# KiCad board MegaDrive.kicad_pcb (continued)
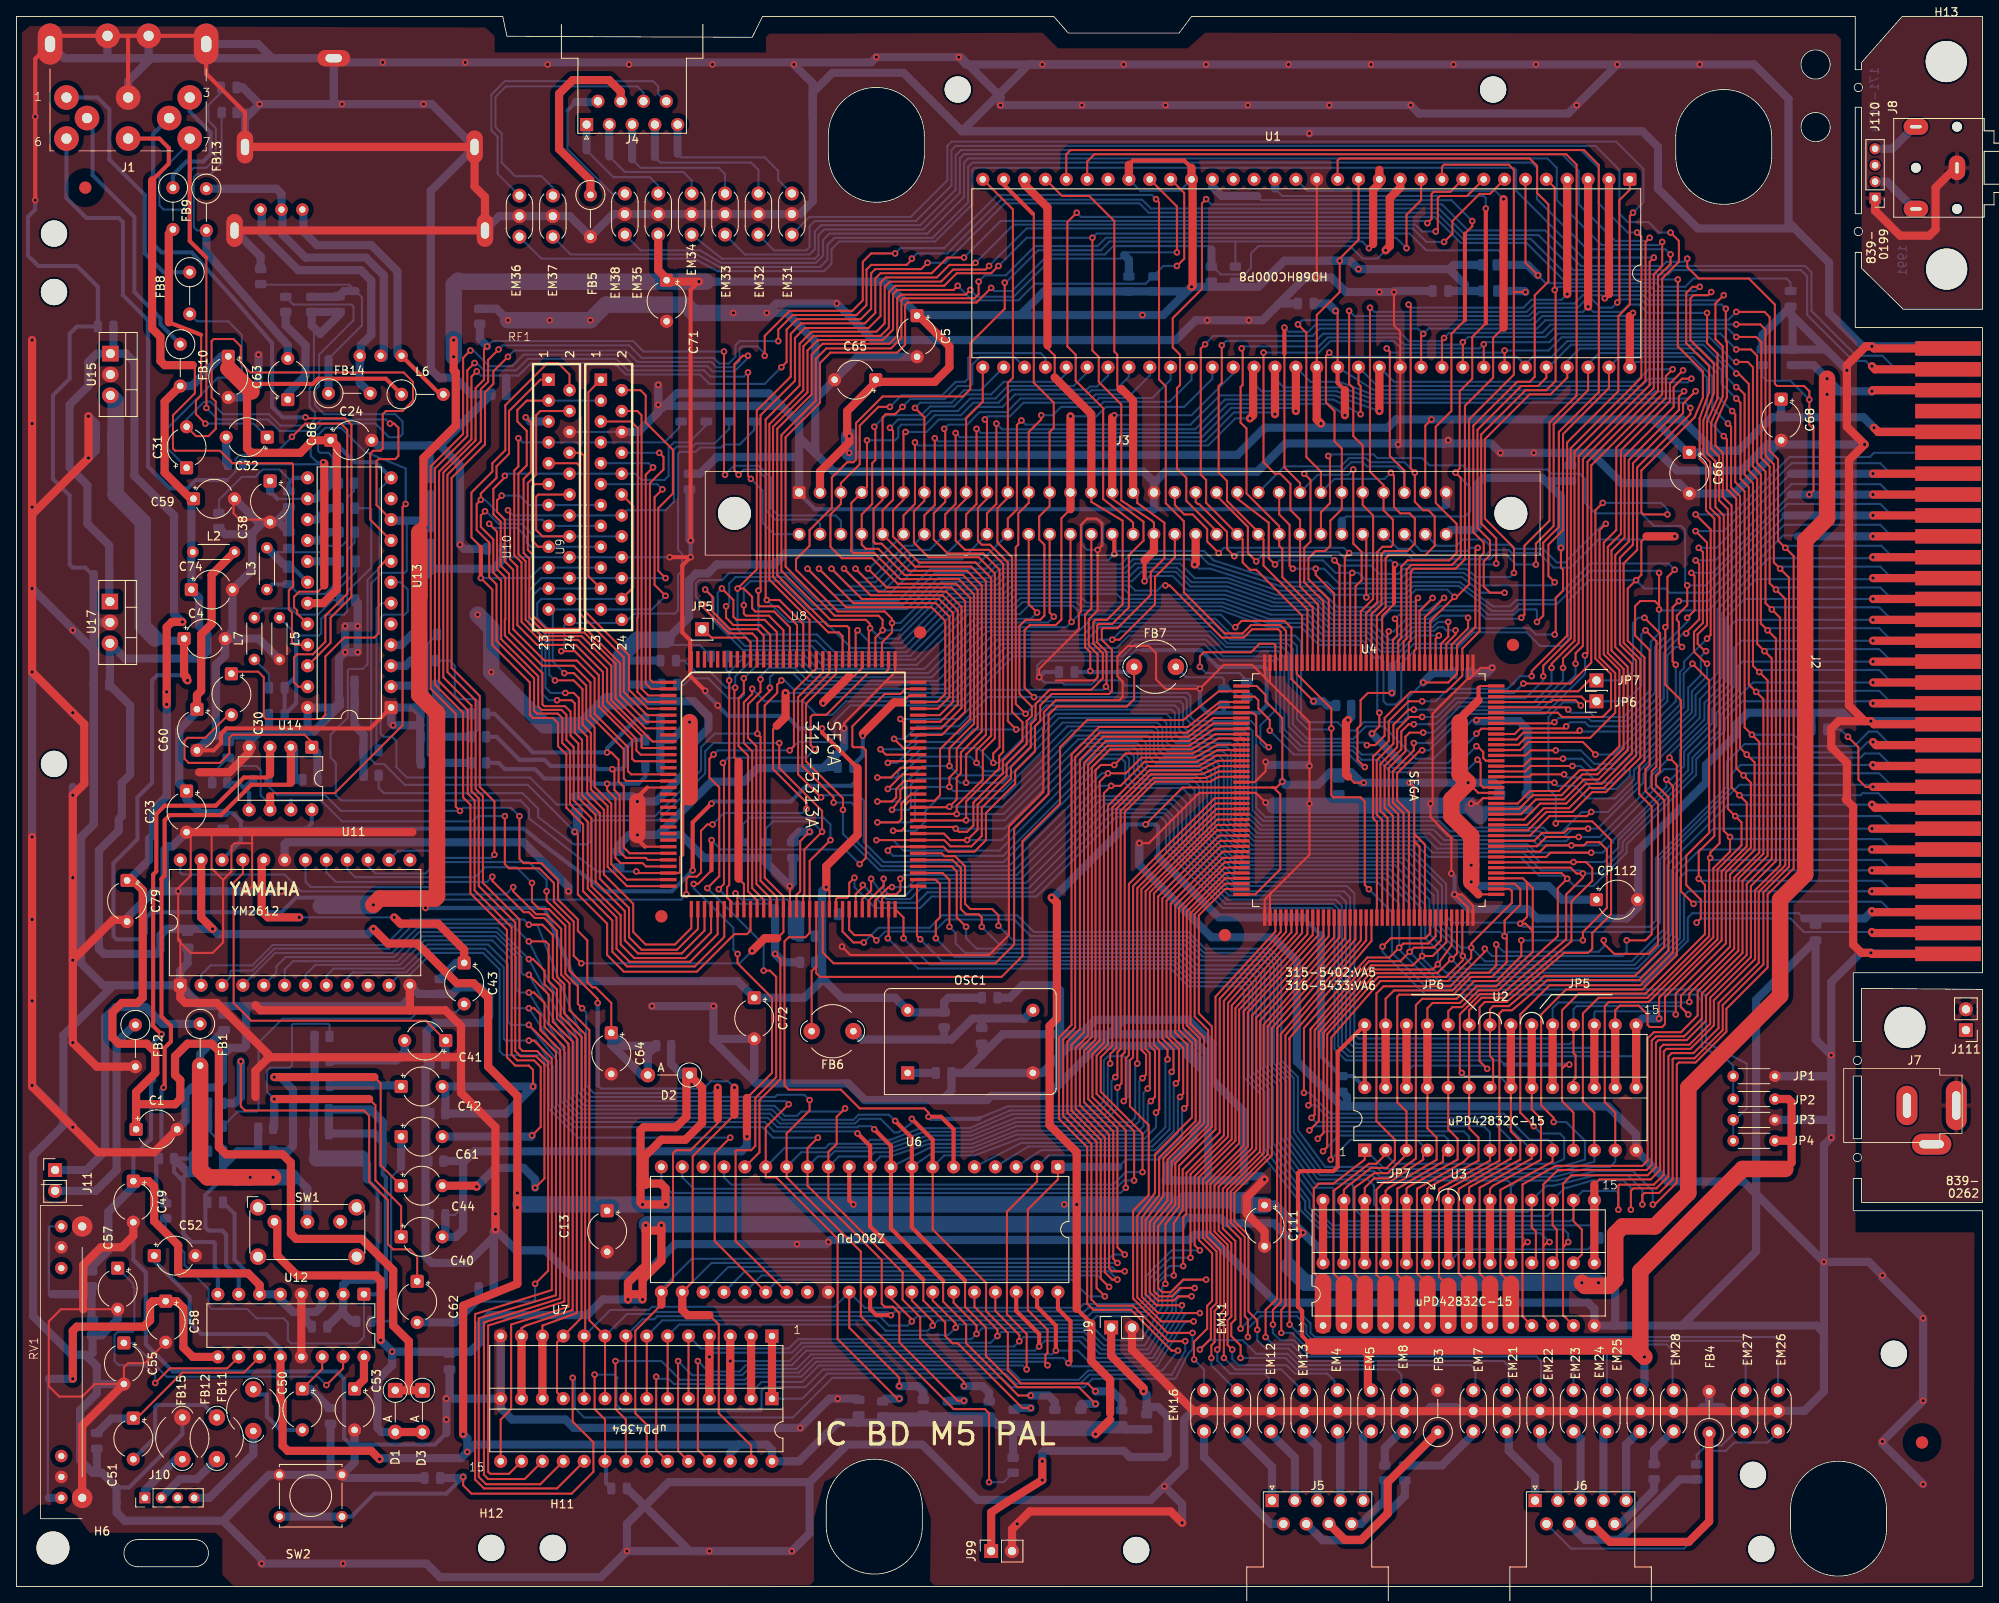
[diagram p0: board, top side]
## Routing (per net, layer and track width the routed paths; a pad name or vN(x,y) marks a point on that pad's centre or on a via; arc(x,y) is an arc through that point) (continued)
/VD9: length 382.2
  Top w0.25: v1(158.12,123.83) 158.12,123.06 160.36,120.82 160.36,112.01 ; v1(209.3,145.92) 209.42,145.92 210.31,145.03 210.31,135.25 211.33,134.24 211.33,112.01 v1(212.09,111.25) 213.11,110.24 213.11,88.9 210.06,85.85 210.06,77.09 205.11,72.14 205.11,69.09 202.95,66.93 199.52,66.93 199.01,66.42 199.01,51.31 198.37,50.67 187.58,50.67 185.82,48.91 185.82,41.4 ; v1(186.56,41.91) 186.33,41.91 185.82,41.4 ; U8.64 107.95,81.39 v1(107.95,78.87) ; 185.82,41.4 185.82,32.88 U3.12 ; J3.a24 153.67,130.43 154.94,129.16 154.94,124.21 v1(155.32,123.83) ; v1(181.1,120.9) 179.32,120.9 178.56,121.67 178.56,124.71 179.32,125.48 179.32,127.25 177.8,128.78 177.8,140.72 183.13,146.05 185.17,146.05 186.18,147.07 U1.60
  Bottom w0.25: v1(212.09,111.25) 212.34,111.51 226.69,111.51 228.22,109.98 J2.a14 ; v1(186.56,41.91) 185.49,42.98 159.71,42.98 156.85,45.85 156.85,46.86 151.89,53.21 151.89,60.2 149.98,62.11 149.98,73.04 149.48,73.53 142.87,73.53 140.73,75.68 111.14,75.68 v1(107.95,78.87) ; v1(209.3,145.92) 208.03,147.19 208.03,148.34 205.29,151.07 189.17,151.07 186.44,148.34 ; v1(155.32,123.83) v1(158.12,123.83) 159.13,123.83 160.91,122.05 168.91,122.05 169.67,122.81 175.89,122.81 178.31,120.9 v1(181.1,120.9)
/VD10: length 368.7
  Top w0.25: v1(109.98,78.74) 109.59,79.13 109.59,85.2 ; v1(209.3,147.57) 209.55,147.57 210.82,146.3 210.82,135.76 211.84,134.75 211.84,114.68 v1(212.73,113.79) 213.61,112.9 213.61,88.52 210.57,85.47 210.57,76.84 205.61,71.88 205.61,68.83 203.26,66.48 199.83,66.48 199.52,66.17 199.52,51.05 198.5,50.04 189.23,50.04 188.21,49.02 188.21,41.15 ; v1(159.77,150.11) 159.37,149.72 159.37,144.04 160.4,143 160.4,139.32 161.29,138.43 J3.a27 161.29,131.06 159.89,129.67 159.89,126.62 159.26,125.98 158.12,125.98 157.23,125.1 157.23,122.56 159.71,120.08 159.71,112.01 ; 188.21,41.15 188.21,41.28 v1(188.85,41.91) ; 188.21,41.15 188.21,33.02 U3.13
  Bottom w0.25: J2.a15 228.22,112.52 226.69,114.05 212.98,114.05 v1(212.73,113.79) ; v1(159.77,150.11) 160.27,149.61 182.63,149.61 183.64,148.59 ; 183.64,148.72 184.53,149.61 186.82,149.61 188.73,151.52 205.48,151.52 209.3,147.7 v1(209.3,147.57) ; v1(109.98,78.74) 112.59,76.13 140.91,76.13 143,74.04 149.73,74.04 150.43,73.35 150.43,62.55 152.46,60.52 152.46,53.53 157.35,46.99 157.35,46.1 160.02,43.43 188.34,43.43 188.85,42.93 v1(188.85,41.91)
/VD11: length 374.7
  Top w0.25: J3.a30 168.91,135.76 167.13,137.54 167.13,150.24 v1(166.75,150.62) ; v1(111.89,78.87) 111.89,80.9 112.39,81.41 112.39,85.47 111.86,86 109.59,86 ; 159.06,112.01 159.06,119.84 156.72,122.17 156.72,126.37 157.48,127.13 157.48,134.62 v1(156.72,135.38) ; v1(209.3,148.97) 210.69,148.97 211.33,148.34 211.33,136.27 212.29,135.31 212.29,117.15 v1(213.11,116.33) 214.12,115.32 214.12,88.27 211.07,85.22 211.07,76.58 206.12,71.63 206.12,68.45 203.58,65.91 200.41,65.91 200.02,65.53 200.02,50.67 198.88,49.53 192.66,49.53 192.02,48.9 ; U1.58 v1(181.1,150.37)
  Top w1: U3.15 U3.15 192.02,48.9
  Bottom w0.25: v1(111.89,78.87) 114.17,76.58 141.22,76.58 143.2,74.61 150.31,74.61 150.88,74.04 150.88,62.87 152.91,60.83 152.91,53.98 157.86,47.37 157.86,46.23 160.15,43.94 191.64,43.94 192.02,44.32 ; v1(213.11,116.33) 213.36,116.59 226.69,116.59 228.22,115.06 J2.a16 ; J3.a30 168.91,135.38 168.02,136.27 164.34,136.27 163.83,136.78 162.43,136.78 161.42,135.76 157.1,135.76 v1(156.72,135.38) ; v1(166.75,150.62) 167.26,150.11 180.85,150.11 v1(181.1,150.37) 186.44,150.37 188.04,151.97 206.04,151.97 209.04,148.97 v1(209.3,148.97)
  Bottom w1: U3.15 192.02,44.32
/VD12: length 379.4
  Top w0.25: v1(209.3,150.5) 211.07,150.5 211.84,149.73 211.84,136.65 212.85,135.64 212.85,119.63 v1(213.61,118.87) 214.63,117.86 214.63,87.76 211.58,84.71 211.58,76.33 206.57,71.32 206.57,68.27 203.71,65.41 200.79,65.41 200.48,65.09 200.48,50.11 199.26,48.9 195.07,48.9 194.94,48.77 v1(194.94,45.85) ; U3.16 189.48,44.45 190.5,43.43 190.5,40.39 U3.16 ; 158.41,112.01 158.41,119.47 156.21,121.67 J3.b25 156.21,129.79 155.04,130.97 155.04,134.14 153.8,135.38 153.16,135.38 151.76,136.78 v1(151.76,150.11) ; U1.57 v1(178.56,151.13) ; 109.59,86.8 112.71,86.8 113.54,85.98 v1(113.54,80.26)
  Bottom w0.25: v1(151.76,150.11) 158.5,150.11 159.89,151.51 167.64,151.51 168.53,150.62 178.05,150.62 v1(178.56,151.13) 178.82,151.38 186.56,151.38 187.6,152.42 207.37,152.42 v1(209.3,150.5) ; v1(113.54,80.26) 114.3,79.5 114.3,78.23 115.44,77.09 141.48,77.09 143.51,75.06 150.88,75.06 151.44,74.49 151.44,63.06 153.47,61.03 153.47,54.16 157.73,48.51 160.15,48.51 160.4,48.26 160.4,45.97 161.93,44.45 189.1,44.45 189.48,44.83 U3.16 190.63,48.13 194.69,48.13 194.94,47.88 v1(194.94,45.85) ; J2.a17 228.22,117.6 226.69,119.13 213.87,119.13 v1(213.61,118.87)
/VD13: length 385.2
  Top w0.25: U3.17 186.94,43.94 187.45,43.43 187.45,39.88 U3.17 ; v1(196.47,45.85) 196.47,48.13 196.78,48.45 199.57,48.45 201.04,49.91 201.04,64.52 201.42,64.9 204.09,64.9 207.14,67.95 207.14,70.99 212.03,75.89 212.03,84.52 215.26,87.76 215.26,120.14 v1(214.12,121.29) 213.36,122.05 213.36,136.27 212.34,137.29 212.34,151.38 211.71,152.02 v1(209.3,152.02) ; 109.59,87.6 113.82,87.6 114.43,87 114.43,81.41 v1(115.57,80.26) ; v1(149.1,150.62) 149.23,150.5 149.23,146.18 148.97,145.92 148.97,141.61 149.69,140.89 149.69,132.98 153.67,129 J3.b24 153.67,126.62 154.05,126.24 154.05,122.81 157.76,119.1 157.76,112.01 ; U1.56 v1(176.02,151.38)
  Bottom w0.25: v1(214.12,121.29) 214.38,121.54 226.82,121.54 228.22,120.14 J2.a18 ; v1(209.3,152.02) 208.28,153.04 187.07,153.04 186.06,152.02 176.66,152.02 v1(176.02,151.38) 175.71,151.07 168.91,151.07 168.02,151.96 159.58,151.96 158.5,150.88 149.35,150.88 v1(149.1,150.62) ; v1(115.57,80.26) 115.57,78.87 116.84,77.6 141.73,77.6 143.76,75.57 151.26,75.57 151.89,74.93 151.89,63.37 153.92,61.34 153.92,54.61 157.99,49.02 162.43,49.02 162.67,48.79 162.67,46.12 163.7,45.09 186.31,45.09 186.94,45.72 U3.17 188.47,48.51 188.72,48.51 191.77,49.4 195.58,49.4 196.47,48.51 v1(196.47,45.85)
/VD14: length 388.8
  Top w0.25: v1(197.87,46.48) 197.87,47.62 198.12,47.88 199.9,47.88 201.55,49.53 201.55,64.14 201.68,64.26 204.22,64.26 207.64,67.69 207.64,70.74 212.6,75.69 212.6,84.45 215.71,87.57 215.71,122.74 v1(214.63,123.83) 213.87,124.59 213.87,136.53 212.85,137.54 212.85,152.91 212.22,153.54 v1(209.3,153.54) ; v1(117.48,80.26) 117.48,81.41 117.09,81.79 115.57,81.79 114.93,82.42 114.93,87.38 113.91,88.4 109.59,88.4 ; 157.11,112.01 157.11,118.87 151.76,124.21 151.76,127.38 J3.b23 ; v1(146.69,151) 146.69,146.43 146.3,146.05 146.3,135.51 147.32,134.49 147.32,132.08 151.13,128.27 ; U3.18 184.4,43.69 184.91,43.18 184.91,39.88 U3.18 ; U1.55 173.48,151.64 v1(173.74,151.89)
  Bottom w0.25: v1(214.63,123.83) 214.88,124.08 226.82,124.08 228.22,122.68 J2.a19 ; v1(209.3,153.54) 186.69,153.54 185.67,152.53 174.37,152.53 v1(173.74,151.89) 173.37,151.52 169.41,151.52 168.52,152.41 159.01,152.41 158.12,151.51 147.19,151.51 v1(146.69,151) ; v1(197.87,46.48) 197.87,48.26 196.09,50.04 192.15,50.04 187.07,48.77 186.18,48.77 U3.18 184.4,46.1 183.9,45.59 166.12,45.59 165.21,46.5 165.21,48.79 164.46,49.53 158.37,49.53 154.55,54.6 154.55,61.47 152.57,63.45 152.57,75.39 151.78,76.19 144.03,76.19 142.11,78.11 119.63,78.11 v1(117.48,80.26)
/VD15: length 393.7
  Top w0.25: v1(209.3,155.07) 212.73,155.07 213.36,154.43 213.36,138.18 214.38,137.16 214.38,127.25 v1(215.26,126.37) 216.28,125.35 216.28,87.38 213.11,84.2 213.11,75.31 208.1,70.3 208.1,67.5 204.34,63.75 202.31,63.75 202.06,63.5 202.06,49.15 199.39,46.48 v1(199.14,46.48) ; U1.54 170.94,152.15 v1(171.2,152.4) ; 109.59,89.2 112.6,89.2 112.95,88.85 114.22,88.85 115.44,87.63 115.44,83.06 116.08,82.42 118.74,82.42 119.51,81.66 v1(119.51,80.39) ; v1(144.65,151.13) 144.13,150.6 144.13,135.27 144.78,134.62 144.78,131.83 J3.b22 149.23,127.38 149.23,124.59 150.11,123.7 150.88,123.7 156.46,118.12 156.46,112.01
  Top w1: U3.19 U3.19
  Bottom w0.25: v1(119.51,80.39) 121.29,78.61 142.36,78.61 144.34,76.64 152.09,76.64 153.02,75.7 153.02,63.64 155,61.66 155,54.92 158.62,50.04 164.97,50.04 165.62,49.39 181.49,49.39 181.86,49.02 U3.19 181.86,48.63 182.63,49.39 187.44,49.39 192.15,50.55 196.72,50.55 199.14,48.13 v1(199.14,46.48) ; v1(215.26,126.37) 215.52,126.62 226.95,126.62 228.35,125.22 J2.a20 ; v1(209.3,155.07) 208.28,154.05 186.06,154.05 185.04,153.04 171.83,153.04 v1(171.2,152.4) 170.56,153.04 158.62,153.04 157.73,152.15 145.67,152.15 v1(144.65,151.13)
/VREF: length 83.3
  Top w0.25: 30.86,96.14 31.24,96.52 38.73,96.52 46.99,104.78 46.99,131.32 v1(47.37,131.7)
  Top w1: U14.6 30.86,96.14
  Bottom w0.25: 38.48,135.89 38.48,137.41 37.97,137.92 36.96,137.92 36.7,138.18 36.7,140.08 37.59,140.97 39.5,140.97 42.42,138.05 47.37,136.02 v1(47.37,131.7) ; U13.14 31.75,132.33
  Bottom w0.5: 31.75,132.33 30.86,133.22
  Bottom w1: 38.48,134.37 38.61,134.24 R29.1 ; 38.48,134.37 38.48,135.89 ; 38.48,134.37 36.45,132.33 U13.14 ; 30.86,133.22 30.86,134.41
/ZA0: length 238.1
  Top w0.25: v1(107.44,24.38) 107.44,25.4 101.35,31.5 U6.30 ; v1(57.91,86.36) 57.91,85.85 61.72,82.04 62.36,82.04 63.06,81.34 64.2,81.34 65.79,79.76 65.79,74.17 66.67,73.28 66.67,69.72 69.22,67.18 69.22,30.61 ; U7.10 U7.10 ; v1(144.02,40.89) 143.38,41.53 143.38,49.91 147.9,54.43 147.9,70.68 155.81,79.5 155.81,81.76
  Bottom w0.25: U7.10 72.26,33.66 76.96,33.66 77.34,34.04 99.57,34.04 U6.30 103.25,33.91 129.41,33.91 129.86,34.36 136.72,34.36 137.41,35.05 137.41,37.72 140.59,40.89 v1(144.02,40.89) ; U11.17 37.72,86.87 38.86,85.73 57.28,85.73 v1(57.91,86.36)
  Bottom w1: R59.2 110.36,23.75 109.73,24.38 v1(107.44,24.38)
/ZA1: length 225.2
  Top w0.25: 155.16,81.76 155.16,79.59 155.07,79.5 147.45,70.99 147.45,54.74 142.88,50.17 v1(142.88,40.01) ; U7.9 U7.9 69.72,32.39 69.72,67.69 67.31,70.1 67.31,73.41 66.29,74.42 66.29,80.01 64.52,81.79 63.25,81.79 60.45,84.58 v1(60.45,85.09)
  Top w0.5: U6.31 103.89,33.78 104.65,33.02 v1(106.43,33.02)
  Bottom w0.25: U7.9 74.3,33.15 77.34,33.15 77.6,33.4 106.05,33.4 v1(106.43,33.02) 106.86,33.46 129.98,33.46 130.43,33.91 137.16,33.91 137.92,34.67 137.92,37.47 140.46,40.01 v1(142.88,40.01) ; v1(60.45,85.09) 59.56,84.2 52.07,84.2 51.18,85.09 35.81,85.09 35.18,85.73 U11.18
/ZA2: length 133.8
  Top w0.25: v1(108.97,32.26) 108.97,32.51 106.43,35.05 U6.32 ; U7.8 U7.8 ; v1(141.99,38.99) 141.99,44.96 142.38,45.35 142.38,50.3 146.94,54.87 146.94,71.25 154.51,79.63 154.51,81.76
  Bottom w0.25: U7.8 76.2,32.51 77.6,32.51 77.98,32.89 105.03,32.89 106.17,31.75 108.46,31.75 v1(108.97,32.26) 109.6,32.89 130.43,32.89 130.94,33.4 137.41,33.4 138.49,34.48 138.49,37.15 140.32,38.99 v1(141.99,38.99)
/ZA3: length 131.5
  Top w0.25: v1(111.51,31.75) 111.51,32.26 108.97,34.8 U6.33 ; U7.7 U7.7 ; 153.86,81.76 153.86,79.63 146.43,71.5 146.43,55.25 141.93,50.74 141.93,45.85 140.84,44.2 v1(140.84,37.85)
  Bottom w0.25: v1(140.84,37.85) 139.82,37.85 138.94,36.97 138.94,34.29 137.54,32.89 131.44,32.89 130.94,32.39 112.14,32.39 v1(111.51,31.75) 110.87,31.12 105.79,31.12 104.52,32.39 78.61,32.39 U7.7
/ZA4: length 131.1
  Top w0.25: 153.21,81.76 153.21,79.67 153.16,79.63 145.92,71.76 145.92,55.63 141.48,51.18 141.48,46.23 139.83,44.07 v1(139.83,36.83) ; U7.6 U7.6 ; v1(114.3,31.5) 114.3,32 111.51,34.8 U6.34
  Bottom w0.25: U7.6 80.64,31.88 103.63,31.88 104.9,30.61 113.41,30.61 v1(114.3,31.5) 114.68,31.88 130.68,31.88 132.59,29.97 136.91,29.97 139.45,34.04 139.45,36.45 v1(139.83,36.83)
/ZA5: length 146.3
  Top w0.25: U7.5 U7.5 ; 149.46,84.86 147.09,84.86 143.89,81.66 143.89,69.72 145.47,68.14 145.47,55.94 141.03,51.49 141.03,46.48 138.94,43.82 138.94,36.32 139.45,35.81 140.46,35.81 141.99,37.34 v1(144.78,37.34) ; U6.35 114.05,34.54 116.84,31.75 v1(116.84,30.73)
  Bottom w0.25: v1(144.78,37.34) 142.11,37.34 140.08,35.31 140.08,33.91 137.29,29.34 132.33,29.34 130.24,31.43 117.53,31.43 v1(116.84,30.73) 116.2,30.1 95.12,30.1 93.98,28.96 83.31,28.96 U7.5
/ZA6: length 142.4
  Top w0.25: U6.36 116.59,34.04 119.38,31.24 v1(119.38,30.48) ; v1(143.38,36.32) 141.61,36.32 140.59,35.31 139.06,35.31 138.43,35.94 138.43,44.2 140.58,46.74 140.58,51.68 145.02,56.12 145.02,67.69 143.38,69.33 143.38,81.79 147.1,85.51 149.46,85.51
  Top w1: U7.4 v1(84.33,27.94) U7.4
  Bottom w0.25: v1(84.33,27.94) 84.84,28.45 94.36,28.45 95.56,29.65 118.55,29.65 v1(119.38,30.48) 119.88,30.98 129.93,30.98 132.08,28.83 137.67,28.83 140.66,33.66 140.66,35.12 141.86,36.32 v1(143.38,36.32)
/ZA7: length 140.9
  Top w0.25: 149.46,86.16 147.12,86.16 142.88,81.92 142.88,68.45 144.53,66.8 144.53,56.39 140.08,51.94 140.08,46.99 137.92,44.33 137.92,35.81 138.94,34.8 140.84,34.8 141.35,35.31 v1(143,35.31) ; v1(122.05,29.85) 122.05,30.61 119.13,33.53 U6.37
  Top w1: U7.3 v1(86.87,27.43) U7.3
  Bottom w0.25: v1(143,35.31) 141.61,35.31 141.11,34.81 141.11,33.41 141.1,33.4 137.92,28.32 131.83,28.32 129.79,30.35 122.55,30.35 v1(122.05,29.85) 121.4,29.2 95.87,29.2 94.11,27.43 v1(86.87,27.43)
/ZA8: length 149.9
  Top w0.25: v1(141.83,34.22) 138.76,34.22 137.41,35.56 137.41,44.58 139.57,47.5 139.57,52.07 144.02,56.52 144.02,66.67 142.43,68.27 142.43,82.1 147.13,86.81 149.46,86.81 ; U7.25 82.93,16.64 v1(82.93,27.43)
  Top w0.5: U6.38 121.67,33.53 124.46,30.73 v1(124.46,29.21)
  Bottom w0.25: v1(141.83,34.22) 141.83,33.66 138.3,27.81 131.44,27.81 129.36,29.9 125.15,29.9 v1(124.46,29.21) 123.95,28.7 96.14,28.7 94.36,26.92 88.77,26.92 88.01,26.16 84.2,26.16 v1(82.93,27.43)
/ZA9: length 157.9
  Top w0.25: U7.24 80.52,16.51 v1(80.52,27.43) ; 149.46,87.46 147.02,87.46 141.98,82.41 141.98,67.96 143.51,66.42 143.51,56.64 139.06,52.2 139.06,47.62 136.96,44.89 136.96,35.25 138.94,33.27 v1(144.02,33.27)
  Top w0.5: U6.39 124.21,34.04 126.49,31.75 v1(126.49,28.7)
  Bottom w0.25: v1(144.02,33.27) 142.37,33.27 142.11,33.02 138.56,27.31 130.56,27.31 129.16,28.7 v1(126.49,28.7) 126.04,28.25 96.7,28.25 94.93,26.47 89.09,26.47 88.32,25.71 82.24,25.71 v1(80.52,27.43)
/ZA10: length 166.9
  Top w0.25: U7.21 74.17,20.32 72.9,21.59 v1(72.9,27.43) ; 149.46,88.11 147.03,88.11 141.48,82.55 141.48,67.69 143.06,66.11 143.06,57.08 138.56,52.58 138.56,47.88 136.4,45.09 136.4,35.18 139.32,32.26 v1(143.26,32.26)
  Top w0.5: v1(128.02,27.18) 128.27,27.43 128.27,32.26 126.75,33.78 U6.40
  Bottom w0.25: v1(143.26,32.26) 142.37,32.26 141.99,31.88 138.81,26.8 128.4,26.8 v1(128.02,27.18) 127.39,27.8 97.02,27.8 95.24,26.02 89.52,26.02 88.65,25.15 80.77,25.15 78.49,27.43 v1(72.9,27.43)
/ZA11: length 143.5
  Top w0.25: v1(142.11,58.17) 142.49,58.55 142.49,65.91 141.03,67.38 141.03,82.86 146.81,88.65 149.34,88.65 149.46,88.76 ; U7.23 77.85,16.64 v1(77.85,25.53) ; U6.1 126.75,49.53 123.08,45.87 123.08,33.64 125.48,31.24 125.48,28.45 125.22,28.19 125.22,27.18 v1(125.48,26.92)
  Bottom w0.25: v1(77.85,25.53) 78.11,25.27 79.38,25.27 80.01,24.64 88.77,24.64 89.66,25.53 95.5,25.53 97.33,27.35 125.05,27.35 v1(125.48,26.92) ; 134.11,51.05 135,51.94 139.06,51.94 141.86,54.74 141.86,57.91 v1(142.11,58.17)
  Bottom w1: 134.11,51.05 U6.1
/ZA12: length 129.9
  Top w0.25: v1(122.94,26.42) 122.94,30.73 120.54,33.13 120.54,45.61 124.21,49.28 U6.2 ; 149.46,89.41 146.81,89.41 140.46,83.06 140.46,67.06 141.99,65.53 141.99,59.94 v1(141.61,59.56)
  Top w1: U7.2 U7.2
  Bottom w0.25: U7.2 89.41,23.62 90.68,24.89 95.63,24.89 97.64,26.9 122.45,26.9 v1(122.94,26.42) ; v1(141.61,59.56) 141.35,59.31 141.35,55.12 138.68,52.45 125.6,52.45 U6.2
/ZA13: length 61.9
  Top w0.25: 149.46,90.06 146.57,90.06 139.95,83.44 139.95,66.93 141.48,65.4 141.48,61.6 v1(141.1,61.21)
  Bottom w0.25: v1(141.1,61.21) 140.84,60.96 140.84,55.37 138.56,53.09 124.71,53.09 U6.3
/ZA14: length 64.5
  Top w0.25: 149.46,90.71 146.46,90.71 139.45,83.69 139.45,66.68 140.81,65.32 140.81,62.83 v1(140.59,62.61)
  Bottom w0.25: U6.4 123.13,53.54 138.25,53.54 140.33,55.63 140.33,62.36 v1(140.59,62.61)
/ZA15: length 67
  Top w0.25: v1(140.08,64.14) 140.08,65.28 138.94,66.42 138.94,83.95 146.35,91.36 149.46,91.36
  Bottom w0.25: U6.5 122.3,53.99 137.93,53.99 139.83,55.88 139.83,63.88 v1(140.08,64.14)
/ZCLK: length 157
  Top w0.25: v1(111,57.15) 111,57.66 110.49,58.17 102.62,58.17 100.33,60.45 93.98,60.45 93.47,60.96 93.47,78.49 93.98,78.99 96.01,78.99 96.53,79.52 U8.51 96.53,88.28 v1(99.06,90.81) ; v1(134.75,59.06) 135,59.31 135,64.26 135.38,64.64 135.38,85.47 145.82,95.91 149.46,95.91
  Top w0.5: v1(111,57.15) 112.52,57.15 114.05,55.63 U6.6
  Bottom w0.25: C88.1 88.39,92.71 89.22,93.54 98.23,93.54 99.06,92.71 v1(99.06,90.81) ; v1(134.75,59.06) 135.25,59.56 135.25,64.01 134.75,64.52 132.84,64.52 132.33,64.01 132.33,59.06 131.7,58.42 120.65,58.42 117.22,57.02
  Bottom w0.5: v1(111,57.15) 111.25,56.9 117.09,56.9 117.22,57.02
/ZD0: length 316.2
  Top w0.25: 149.46,99.16 146.3,99.16 144.78,98.37 138.37,98.37 134.37,94.36 134.37,65.4 133.99,65.02 133.99,62.23 v1(133.73,61.98) ; v1(96.52,59.18) 96.52,57.91 93.73,55.12 U6.14 93.73,49.78 102.76,40.75 102.76,32.88 114.05,21.59 117.86,21.59 118.36,21.08 v1(118.36,12.7) ; U7.11 65.79,23.62 65.79,29.72 U7.11 68.77,32.7 68.77,66.87 66.22,69.41 66.22,73.09 65.28,74.04 65.28,79.25 64.01,80.52 v1(62.36,80.52)
  Bottom w0.25: U11.2 22.48,74.42 23.62,75.57 28.7,75.57 31.18,78.05 44.9,78.05 48.01,81.15 61.72,81.15 v1(62.36,80.52) 63.37,80.52 68.83,66.8 68.83,60.58 69.85,59.56 92.33,59.56 92.58,59.82 95.89,59.82 v1(96.52,59.18) ; v1(133.73,61.98) 133.26,61.51 133.26,58.2 132.53,57.47 121.16,57.47 116.12,55.31 110.49,55.31 110.24,55.25 106.3,53.85 104.01,53.85 103.57,53.41 99.26,53.41 98.68,52.83 95.5,52.83 U6.14 ; v1(118.36,12.7) 120.14,12.7 R77.2
/ZD1: length 294.1
  Top w0.25: U7.12 64.01,31.75 68.2,33.27 68.2,66.68 65.78,69.1 65.78,72.66 64.77,73.66 64.77,78.11 64.39,78.49 v1(62.36,78.49) ; v1(133.1,63.63) 133.1,64.77 133.86,65.53 133.86,94.62 138.06,98.82 144.27,98.82 146.43,99.81 149.46,99.81 ; v1(93.98,58.67) 91.19,55.88 U6.15 91.19,49.78 92.46,49.78 99.93,42.31 99.93,30.12 107.19,22.86 v1(107.44,22.86)
  Top w1: U7.12 U7.12
  Bottom w0.25: U11.3 26.04,74.17 26.04,74.8 26.16,74.93 28.7,74.93 31.37,77.6 45.34,77.6 48.39,80.65 60.2,80.65 v1(62.36,78.49) 68.33,66.55 68.33,60.2 69.47,59.06 93.6,59.06 v1(93.98,58.67) ; U6.15 93.47,53.34 98.42,53.34 98.94,53.86 103.39,53.86 103.88,54.36 106.38,54.36 106.45,54.38 109.98,55.75 109.99,55.76 116.03,55.76 120.9,57.91 120.92,57.92 131.96,57.92 132.81,58.77 132.81,63.34 v1(133.1,63.63)
  Bottom w1: v1(107.44,22.86) 105.74,22.86
/ZD2: length 281.9
  Top w0.25: 149.46,94.61 146.04,94.61 136.4,84.96 v1(136.4,63.63) ; v1(100.84,58.17) 99.82,57.15 99.82,53.85 98.81,52.83 U6.12 98.81,47.24 107.84,38.21 107.84,34.91 109.98,32.77 109.98,30.23 115.32,24.89 v1(115.32,24.38) ; U7.13 61.47,31.44 61.99,31.75 67.69,33.66 67.69,66.29 65.28,68.71 65.28,72.26 64.26,73.28 64.26,74.93 62.86,76.33 v1(62.36,76.33)
  Top w1: U7.13 U7.13
  Bottom w0.25: v1(136.4,63.63) 136.14,63.37 136.14,57.02 135.64,56.52 121.67,56.52 116.2,54.36 111,54.36 106.3,52.83 104.39,52.83 103.89,52.32 100.08,52.32 U6.12 ; v1(100.84,58.17) 100.46,57.79 95.5,57.79 95,57.28 93.47,57.28 92.26,58.49 69.15,58.49 67.82,59.82 67.82,66.17 v1(62.36,76.33) 62.36,76.33 58.55,80.14 48.77,80.14 45.72,77.09 31.5,77.09 U11.4
  Bottom w1: R79.2 118.36,23.62 117.6,24.38 v1(115.32,24.38)
/ZD3: length 288.7
  Top w0.25: 149.46,92.66 146.12,92.66 137.92,84.46 137.92,65.78 138.56,65.15 138.56,59.56 v1(138.05,59.06) ; v1(62.36,74.42) 64.77,72.01 64.77,68.45 67.18,66.04 67.18,34.04 60.2,31.88 60.2,21.59 58.93,20.32 U7.15 ; 115.44,37.21 115.44,34.04 117.98,31.5 117.98,28.07 121.79,24.26 129.29,24.26 v1(131.32,22.23)
  Top w0.5: v1(106.93,56.64) 108.97,54.61 U6.8 108.97,43.69 115.44,37.21
  Bottom w0.25: v1(106.93,56.64) 106.17,57.4 102.49,57.4 101.86,56.78 93.21,56.78 91.95,58.04 68.83,58.04 67.31,59.56 67.31,65.53 v1(62.36,74.42) 61.72,74.42 61.47,74.68 61.47,76.58 58.42,79.63 49.02,79.63 45.97,76.58 32.77,76.58 31.62,75.44 31.62,74.68 U11.5 ; U6.8 111.63,52.9 116.33,52.9 121.67,54.97 137.01,54.97 137.67,55.63 137.67,58.67 v1(138.05,59.06)
  Bottom w1: R80.2 129.54,22.1 129.67,22.23 v1(131.32,22.23)
/ZD4: length 293.7
  Top w0.25: 149.46,92.01 146.11,92.01 138.43,84.33 138.43,65.91 139.06,65.28 139.06,58.04 v1(138.68,57.66) ; v1(62.36,72.26) 62.99,72.26 64.26,70.99 64.26,68.07 66.67,65.66 66.67,34.67 57.4,31.75 57.4,13.97 57.66,13.72 59.94,13.72 U7.16 ; U6.7 111.51,43.43 118,36.94 118,33.51 120.65,30.86 120.65,26.29 122.23,24.71 130.36,24.71 v1(131.32,23.75)
  Top w0.5: v1(108.97,56.9) 111.51,54.36 U6.7
  Bottom w0.25: U6.7 112.9,52.45 116.59,52.45 122.05,54.48 137.29,54.48 138.68,55.88 v1(138.68,57.66) ; U11.6 32.64,75.06 33.66,76.08 46.36,76.08 49.4,79.12 58.29,79.12 60.83,76.58 60.83,72.64 61.21,72.26 v1(62.36,72.26) 66.8,64.9 66.8,59.18 68.45,57.53 91.69,57.53 92.89,56.33 102.05,56.33 102.62,56.9 105.16,56.9 106.81,55.25 107.32,55.25 108.97,56.39 v1(108.97,56.9)
  Bottom w1: v1(131.32,23.75) 133.35,23.75 134.49,22.61 R81.2
/ZD5: length 284.8
  Top w0.25: v1(123.44,23.24) 121.92,23.24 115.57,29.59 115.57,31.88 112.78,34.67 112.78,37.21 ; 149.46,93.31 146.14,93.31 137.41,84.58 137.41,65.41 137.92,64.9 137.92,60.83 v1(137.67,60.58) ; U7.17 61.85,13.08 57.4,13.08 56.9,13.59 56.9,32.13 66.17,35.05 66.17,65.28 63.75,67.69 63.75,69.6 62.99,70.36 v1(62.36,70.36)
  Top w0.5: v1(104.39,55.63) 106.43,53.59 U6.9 106.43,43.56 112.78,37.21
  Bottom w0.25: v1(104.39,55.63) 104.01,56.01 102.49,56.01 102.36,55.88 92.58,55.88 91.44,57.02 68.33,57.02 66.29,59.06 66.29,64.39 v1(62.36,70.36) 60.45,70.36 60.33,70.49 60.33,76.2 57.91,78.61 49.66,78.61 46.67,75.63 36.38,75.63 35.18,74.42 U11.7 ; v1(137.67,60.58) 137.16,60.07 137.16,56.01 136.61,55.46 121.68,55.46 116.32,53.38 111.13,53.38 U6.9
  Bottom w1: v1(123.44,23.24) 125.6,23.24 126.36,22.48 R82.2
/ZD6: length 283.8
  Top w0.25: 110.36,37.34 110.36,34.8 113.03,32.13 113.03,30.48 113.92,29.59 114.55,29.59 122.43,21.72 v1(123.44,21.72) ; 149.46,93.96 146.03,93.96 136.91,84.84 136.91,65.28 137.47,64.71 137.47,62.29 v1(137.03,61.85) ; U7.18 63.75,12.45 57.15,12.45 56.26,13.34 56.26,32.64 65.66,35.43 65.66,65.02 v1(62.36,68.33)
  Top w0.5: v1(102.36,55.12) 103.89,53.59 U6.10 103.89,43.82 110.36,37.34
  Bottom w0.25: v1(102.36,55.12) 102.11,55.37 92.2,55.37 91.06,56.52 67.95,56.52 65.79,58.67 65.79,64.01 v1(62.36,68.33) 60.2,68.33 59.82,68.71 59.82,75.69 57.4,78.11 50.04,78.11 47.11,75.18 38.6,75.18 37.72,74.3 U11.8 ; U6.10 105.16,52.32 106.3,52.32 111,53.85 116.28,53.85 121.67,56.01 136.02,56.01 136.65,56.64 136.65,61.47 v1(137.03,61.85)
  Bottom w1: v1(123.44,21.72) 121.62,21.72
/ZD7: length 290.1
  Top w0.25: v1(62.36,66.42) 62.99,66.42 65.15,64.26 65.15,36.07 55.81,33.15 55.81,13.02 56.9,11.94 65.79,11.94 U7.19 ; v1(115.32,22.61) 114.55,22.61 107.44,29.72 107.44,33.27 106.68,34.04 105.66,34.04 105.3,34.4 105.3,39.73 96.27,48.77 U6.13 96.27,53.34 v1(97.54,54.61) ; 149.46,98.51 146.3,98.51 145.29,97.92 138.56,97.92 134.87,94.23 134.87,64.99 134.49,64.61 134.49,61.21 v1(133.99,60.71)
  Bottom w0.25: U6.13 97.54,52.32 98.93,52.32 99.57,52.96 103.76,52.96 104.14,53.34 106.3,53.34 110.87,54.86 116.2,54.86 121.67,57.02 132.84,57.02 133.99,58.17 v1(133.99,60.71) ; U11.9 40.26,74.04 40.95,74.73 47.42,74.73 50.29,77.6 57.02,77.6 59.31,75.31 59.31,66.68 59.56,66.42 v1(62.36,66.42) 63.25,66.42 65.28,63.25 65.28,58.42 67.82,55.88 90.8,55.88 92.08,54.61 v1(97.54,54.61)
  Bottom w1: v1(115.32,22.61) 113.49,22.61
/~{ASEL}: length 143.4
  Top w0.25: v1(203.33,121.79) 203.33,119.38 202.06,118.11 202.06,117.6 202.31,117.35 202.31,114.68 v1(202.69,114.3) ; 179.71,101.76 183.04,101.76 184.02,102.74 190.63,102.74 v1(192.15,101.22) ; v1(159.64,137.54) 159.85,137.33 159.85,131.78 158.75,130.68 J3.b26
  Bottom w0.25: v1(159.64,137.54) 159.83,137.74 165.16,137.74 165.61,137.29 171.07,137.29 171.96,136.4 176.02,136.4 176.53,135.89 186.31,135.89 186.82,135.38 190.25,135.38 190.88,134.75 190.88,131.83 192.15,130.56 197.74,130.56 199.26,129.03 202.56,129.03 203.07,128.52 203.07,122.05 v1(203.33,121.79) 205.59,121.79 215.5,131.7 226.82,131.7 228.22,130.3 J2.a22 ; v1(202.69,114.3) 201.93,114.3 200.91,113.28 200.91,107.7 194.44,101.22 v1(192.15,101.22)
/~{AS}: length 288.8
  Top w0.25: 174.66,112.01 174.66,114.59 176.66,116.59 v1(176.66,117.86) ; U1.6 183.64,161.04 v1(185.17,159.51) ; v1(130.94,164.08) 130.94,150.37 131.72,149.59 131.72,146.54 134.45,143.81 134.45,132.12 138.18,129.67 138.43,129.41 J3.b18 ; v1(119.51,160.66) 118.62,159.77 114.43,159.77 112.9,158.24 106.93,158.24 106.17,157.48 106.17,153.16 105.16,152.15 97.03,152.15 95.76,150.88 95.76,145.54 91.63,141.41 91.63,122.5 96.52,117.6 96.52,112.93
  Top w0.5: v1(137.29,122.3) 137.29,124.84
  Top w1: J3.b18 138.43,125.98 137.29,124.84
  Bottom w0.25: v1(119.51,160.66) 122.94,164.08 v1(130.94,164.08) 131.44,164.59 169.55,164.59 171.58,162.56 180.34,162.56 180.59,162.31 180.59,161.54 181.61,160.53 184.15,160.53 v1(185.17,159.51) 186.11,158.56 199.57,158.56 200.02,158.12 203.07,158.12 204.09,159.13 215.39,159.13 215.9,158.62 C94.2 ; v1(137.29,122.3) 137.92,122.94 140.72,122.94 142.49,121.16 147.19,121.16 152.78,119.25 157.73,119.25 159.89,117.09 165.1,117.09 165.86,116.33 165.86,116.32 167,115.19 167.64,115.19 169.67,117.22 172.08,117.22 173.36,118.11 176.4,118.11 v1(176.66,117.86)
  Bottom w1: R68.1 183.9,160.78 v1(185.17,159.51)
